# Altium PCB galileo_cleaned.PcbDoc (part 8 of 10) (continued)
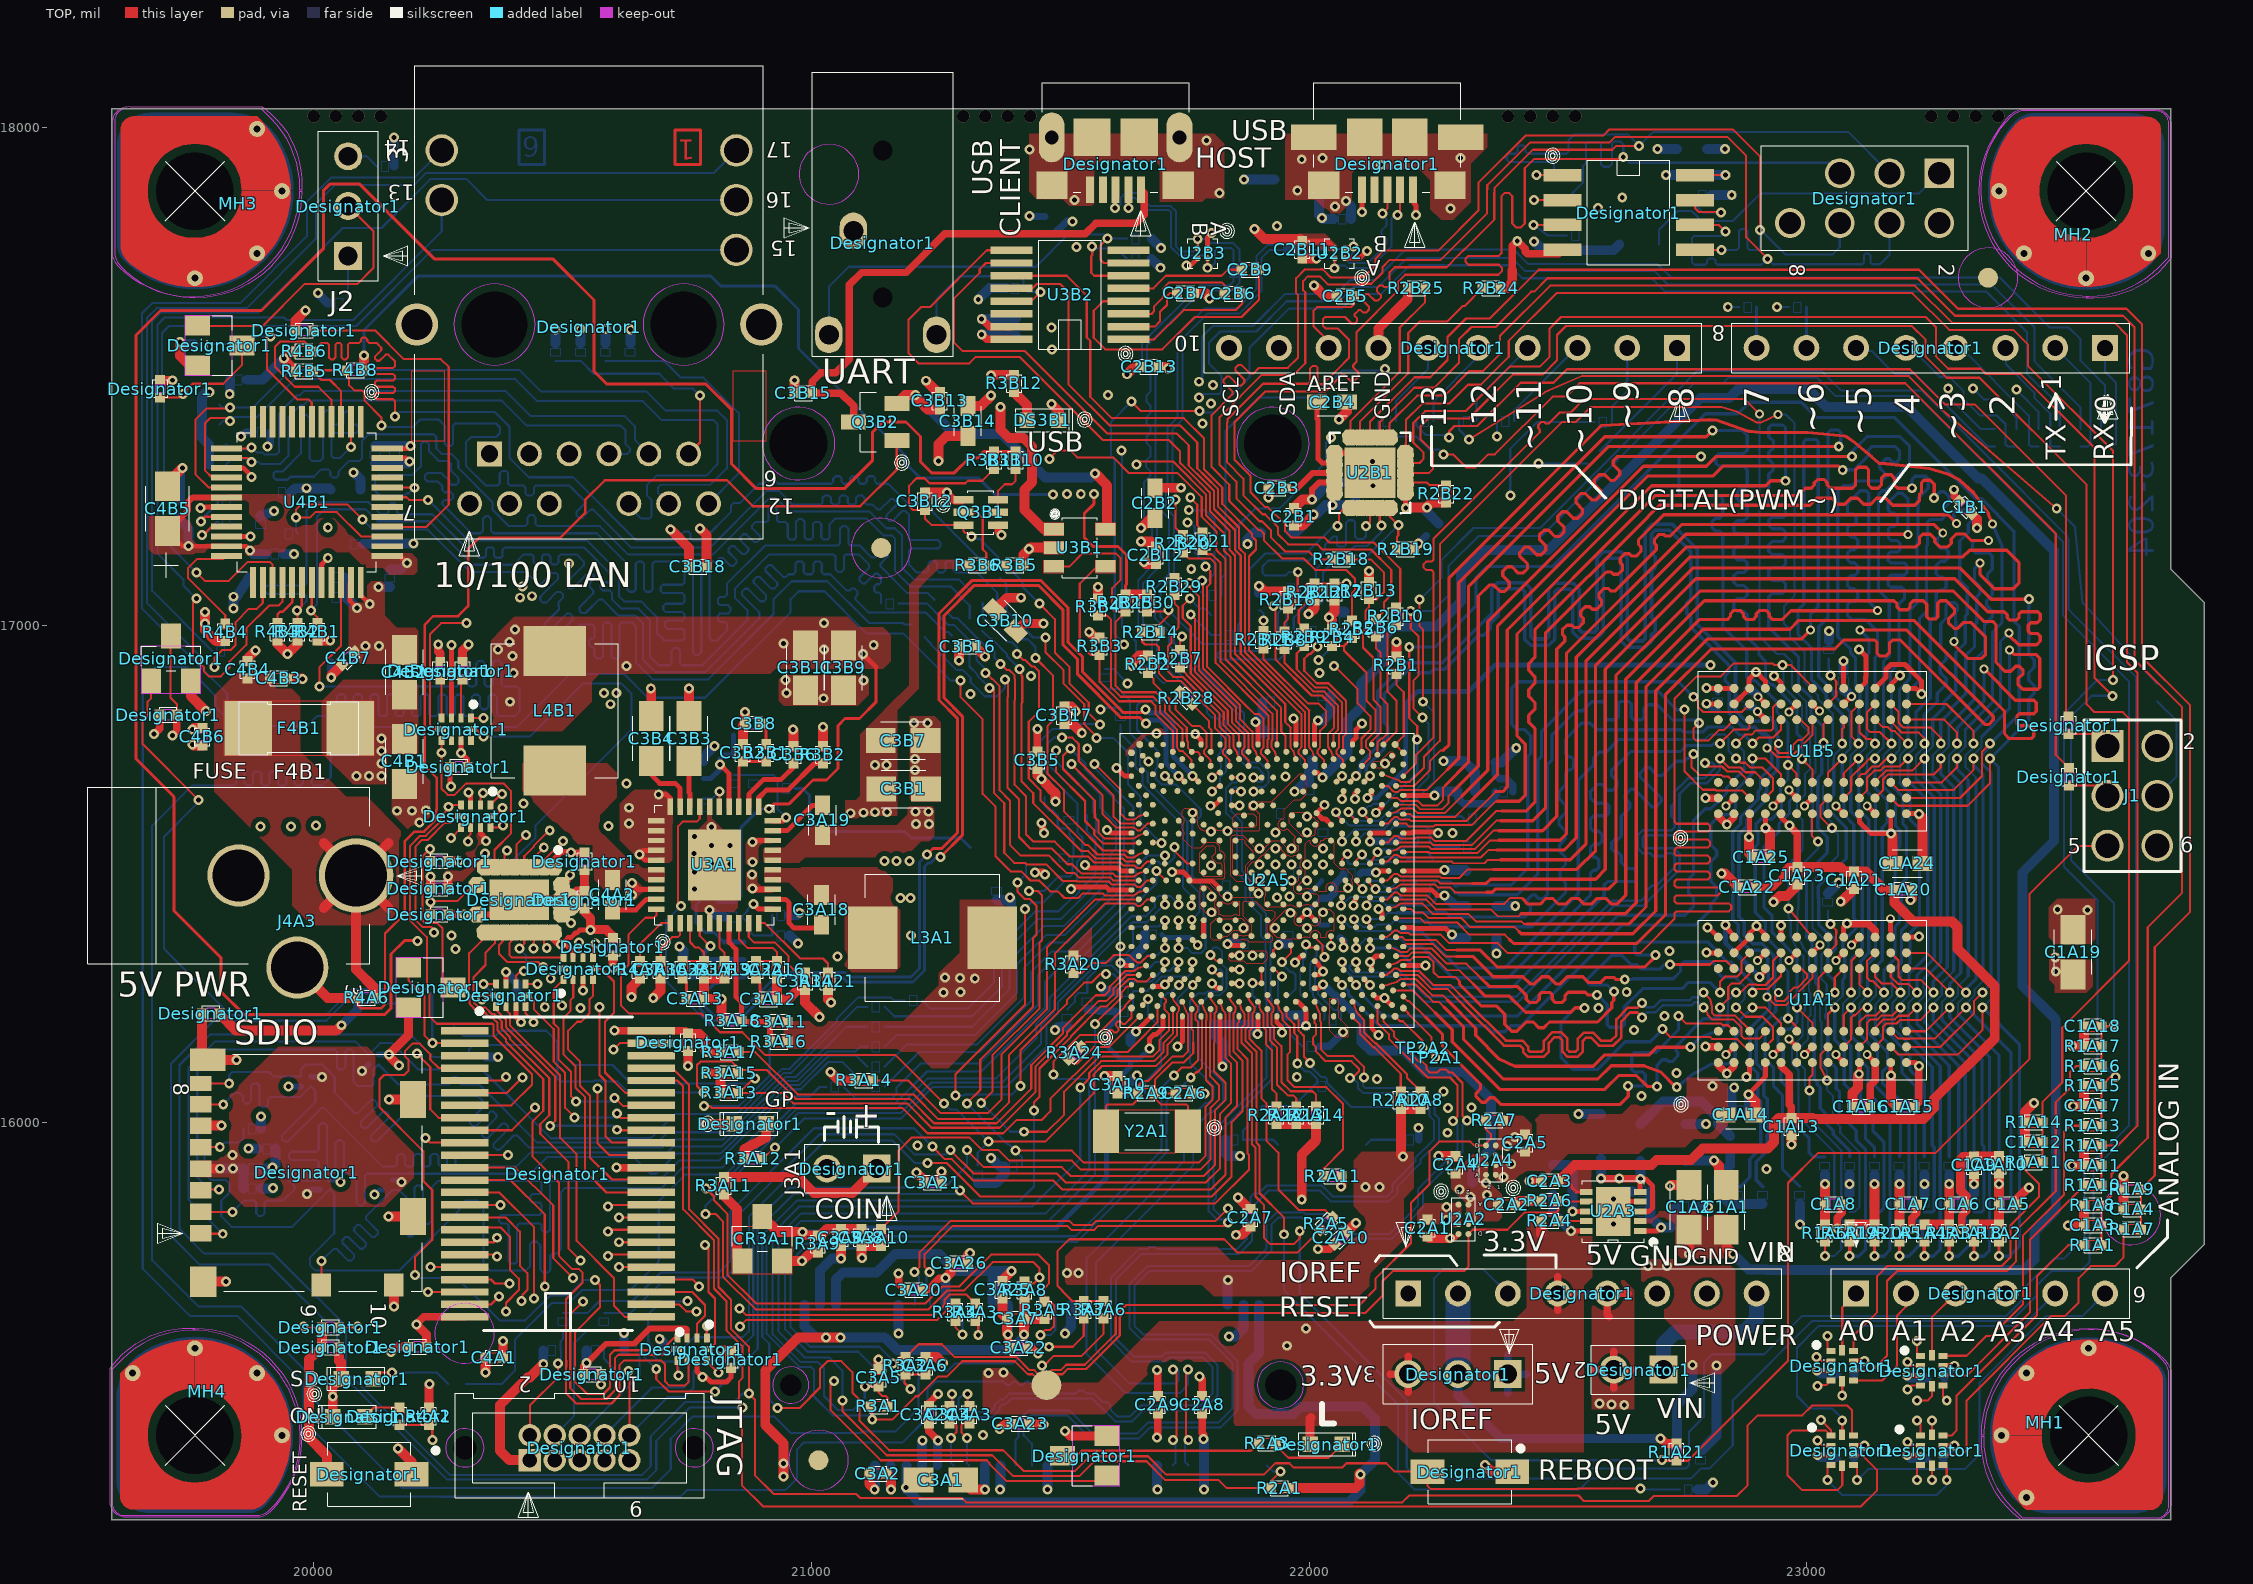
[diagram p0: TOP view]
## Nets (pads, with @x,y where several pads share a name; then routed paths per layer and width w, separated by ;. In a path a pad name is that pad's centre, name@x,y a point inside that pad or via, vN(x,y) a via of type N, cw(c..) or ccw(c..) an arc to the next point about the centre after c; other vN are vias at no path point) (continued)
USBCOMP: R2B2.1 U2A5.J34 U2A5.K33 | length 223.5
  TOP w4: 21754,16775 21754,16768.1 21755.97,16766.13 21755.97,16753.41 U2A5.J34@21763.97,16745.41 21775.64,16745.41 21779.67,16741.38 U2A5.K33@21782.97,16730.74
  TOP w4.2: R2B2.1@21676,16904 21687.5,16892.5 21687.5,16883.5 21719,16852 21719,16828.79 21754,16793.79 21754,16775
USBH0_DN: L3M2.1 U2A5.V29 | length 1400.5
  TOP w4: v1(21888.33,16665.74) U2A5.V29@21904.33,16665.74
  BOTTOM w4: 21708.22,17010 21715.12,17003.11 21716.37,17001.86 21728,16990.22 21728,16964 21743,16949 21747.71,16944.29 21869,16823 21869,16735 21880,16724 21900.07,16724 21918.07,16706 21918.07,16683.67 21909.14,16674.74 21897.33,16674.74 v1(21888.33,16665.74) ; 21708.19,17010.04 21708.19,17010.1 21705.41,17012.88 21705.26,17013.03 21704.95,17013.34 21704.76,17013.52 21704.72,17013.56 21704.69,17013.6 21701,17017.26 21701,17070.77 21728,17097.77 21728,17219.23 21712,17235.24 21712,17239.37 ; 21712,17239.38 21712,17268.77 21725,17281.77 21725,17392.76 21745,17412.76 21745,17575.43 21795.57,17626 21859,17626 21904,17671 21904,17737 21921,17754 21949.3,17754 L3M2.1@21953.16,17750.14
USBH0_DN_CH: L3M2.2 U2B2.A2 | length 393
  TOP w4: v1(22051,17717) 22051,17737 U2B2.A2@22051.16,17737.16 ; v1(22177,17824) 22182.59,17829.59 22182.59,17874.68
  BOTTOM w4: L3M2.2@21972.84,17750.14 21976.7,17754 22044.04,17754 22051,17747.03 v1(22051,17717) 22057,17723 22071,17723 22076,17718 22122.64,17718 22165.5,17760.86 22165.5,17816.5 22173,17824 v1(22177,17824)
USBH0_DP: L3M2.4 U2A5.V30 | length 1402.3
  TOP w4: v1(21888.33,16693.74) U2A5.V30@21904.33,16693.74
  BOTTOM w4: v1(21888.33,16693.74) 21897.33,16684.74 21905,16684.74 21908.07,16687.81 21908.07,16701.86 21895.93,16714 21875.86,16714 21859,16730.86 21859,16818.86 21743.57,16934.29 21718,16959.86 21718,16986.08 21709.3,16994.78 21708.04,16996.04 21701.05,17003.03 21700.06,17004.08 21697.89,17006.25 21697.75,17006.39 21697.7,17006.44 21697.62,17006.51 21691,17013.1 21690.5,17013.6 21690.5,17074.42 21718,17101.92 21718,17215.09 21702,17231.09 21702,17243.52 21702,17272.92 21715,17285.92 21715,17396.91 21735,17416.91 21735,17582 21789,17636 21854.86,17636 21894,17675.14 21894,17741.14 21916.86,17764 21949.3,17764 L3M2.4@21953.16,17767.86
USBH0_DP_CH: L3M2.3 U2B2.B1 | length 399.3
  TOP w4: U2B2.B1@22070.84,17756.84 22075,17761 v1(22089,17761) ; v1(22147,17827) 22157,17837 22157,17874.68
  BOTTOM w4: L3M2.3@21972.84,17767.86 21974.96,17765 22047.19,17765 22050.1,17762.08 22056.18,17756 22067,17756 22072,17761 v1(22089,17761) 22089,17748.63 22076,17735.63 22076,17732.15 22080.15,17728 22118.49,17728 22155,17764.51 22155,17776.21 22145,17786.21 22145,17792.21 22155,17802.21 22155,17816 22147,17824 v1(22147,17827)
USBH1_DN: U2A5.P30 | length 1799
  TOP w4: v1(21237.4,15699.98) 21227.06,15710.32 21227.06,15736 21283.96,15792.9 21513.87,15792.9 21521.87,15784.9 21568.13,15784.9 21576.23,15793 21830,15793 v1(21837,15800) ; U2A5.P30@21844.33,16693.74 v1(21863.33,16693.74)
  BOTTOM w4: v1(21237.4,15699.98) 21231,15693.58 21231,15672 21237.83,15665.17 21237.83,15634.42 ; v1(21837,15800) 21831,15806 21813.85,15806 21798,15821.85 21798,15985 21810,15997 21820.85,15997 21872,16048.15 21914,16090.14 21914,16246 21912,16248 21912,16366.85 21903,16375.85 21903,16416.85 21874.43,16445.43 ; v1(21863.33,16693.74) 21863.25,16693.74 21853.51,16684 21844.85,16684 21833,16672.15 21833,16621.85 21855,16599.85 21855,16501.85 21871.5,16485.35 21871.5,16448.35 21874.42,16445.42
USBH1_DP: U2A5.P29 | length 1798.3
  TOP w4: v1(21206.71,15699.98) 21217.06,15710.33 21217.06,15740.14 21279.82,15802.9 21518.02,15802.9 21526.02,15794.9 21563.99,15794.9 21572.09,15803 21812,15803 v1(21837,15828) ; U2A5.P29@21844.33,16665.74 v1(21863.33,16665.74)
  BOTTOM w4: 21206.33,15634.42 21208,15636.09 21208,15666 21216,15674 21216,15690.69 v1(21206.71,15699.98) ; v1(21837,15828) 21825,15816 21818,15816 21808,15826 21808,15843.69 21813,15848.69 21813,15864.69 21808,15869.69 21808,15980.85 21814.15,15987 21825,15987 21924,16086 21924,16250.14 21922,16252.14 21922,16371 21913,16380 21913,16421 21881.5,16452.5 21881.5,16489.5 21865,16506 21865,16604 21843,16626 21843,16668 21849,16674 21855.07,16674 v1(21863.33,16665.74)
USBH2_DN: L3M1.4 U2A5.M31 | length 1284.6
  TOP w4: v1(21804.98,16693.74) 21814.85,16703.61 U2A5.M31@21820.98,16703.61
  BOTTOM w4: v1(21804.98,16693.74) 21804.98,16693.98 21822.38,16711.38 21822.38,16721.83 21817,16727.21 21817,16739.21 21822.38,16744.58 21822.38,16804.62 21812.37,16814.63 21807.87,16814.63 21803.37,16814.63 21794.88,16823.12 21794.88,16827.62 21794.88,16832.11 21769.51,16857.43 21762.82,16864.12 21735.93,16891.01 21684,16942.94 21684,16972 21675.5,16980.5 21672.57,16983.43 21656.5,16999.5 21656.5,17090.5 21684,17118 21684,17201 21668,17217 21668,17257.6 21668,17287 21681,17300 21681,17309 21672,17318 21672,17330 21681,17339 21681,17358.07 21673.1,17365.97 21673.1,17377.97 21681,17385.87 21681,17397.87 21673.1,17405.77 21673.1,17417.77 21681,17425.67 21681,17441.27 21673.1,17449.17 21673.1,17461.17 21681,17469.07 21681,17514.97 21664,17531.98 21664,17560.14 21664,17566 21780,17682 21838.86,17682 21848,17691.14 21848,17700.3 L3M1.4@21845.14,17703.16
USBH2_DN_CH: L3M1.3 U2B3.A2 | length 466.5
  TOP w4: 21636.59,17874.68 21636.59,17838.41 v1(21637,17838) ; U2B3.A2@21795.84,17737.16 21796,17737 v1(21796,17718)
  BOTTOM w4: v1(21637,17838) 21631,17844 21631,17853.14 21636.36,17858.5 21649.64,17858.5 21651.49,17856.64 21654.42,17853.71 21674.14,17834 21718.69,17834 21722,17830.69 21722,17759.69 21738.69,17743 21788,17743 21796,17735 v1(21796,17718) 21801,17718 21811,17728 21811,17752.81 21816.19,17758 21841.86,17758 21848,17751.86 21848,17725.7 L3M1.3@21845.14,17722.84
USBH2_DP: L3M1.1 U2A5.M29 | length 1281.7
  TOP w4: v1(21804.98,16665.74) 21815.72,16676.48 U2A5.M29@21820.98,16676.48
  BOTTOM w4: v1(21804.98,16665.74) 21804.98,16665.98 21820.98,16681.98 21820.98,16694.08 21832.38,16705.48 21832.38,16808.77 21776.64,16864.5 21776.58,16864.5 21745.93,16895.15 21740.07,16901.01 21694,16947.08 21694,16976.14 21692.33,16977.82 21682.57,16987.57 21679.64,16990.51 21666.5,17003.64 21666.5,17084.5 21694,17112 21694,17205.14 21678,17221.14 21678,17253.46 21678,17282.86 21691,17295.86 21691,17510.83 21691,17519.12 21674,17536.12 21674,17561.86 21784.14,17672 21844,17672 21860,17688 21860,17700.3 L3M1.1@21862.86,17703.16
USBH2_DP_CH: L3M1.2 U2B3.B1 | length 480.2
  TOP w4: v1(21610,17838) 21611,17839 21611,17874.68 ; v1(21776,17776) 21776.16,17776.84 U2B3.B1@21776.16,17756.84
  BOTTOM w4: v1(21610,17838) 21613,17838 21621,17846 21621,17859 21630.5,17868.5 21653.78,17868.5 21661.49,17860.78 21680.28,17842 21722,17842 21732,17832 21732,17761 21742,17751 21768,17751 21776,17759 v1(21776,17776) 21793.37,17776 21801.37,17768 21846,17768 21860,17754 21860,17725.7 L3M1.2@21862.86,17722.84
V1P0_S0: C2B2.1 C2B12.1 C2L14.1 C3B9.1 C3B10.1 C3B11.1 C3B17.1 C3L15.1 C3L17.1 C3L18.1 C3L20.1 C3L22.1 C3L24.1 C3L26.1 C3L28.1 C3L29.1 FB3L1.2 L4B1.2 R2L19.1 U2A5.AB14 U2A5.AB18 U2A5.AB20 U2A5.AD14 U2A5.T18 U2A5.V14 U2A5.V16 U2A5.V18 U2A5.V20 U2A5.Y14 U2A5.Y16 U2A5.Y18 U2A5.Y20 | length 1128.6
  TOP w6: v1(20915,16631) 20925,16641 20955,16641 21003,16689 21030,16689 21053,16712 21053,16798 21067.5,16812.5 21096.5,16812.5 21130,16846 21130,16915
  TOP w10: v1(21103,16942) 21110.01,16934.99 21112,16933 21130,16915
  TOP w20: C3B10.1@21368,17030 21393,17055 v1(21421,17055) ; C3B17.1@21508,16836 21522.14,16836 21528,16830.14 21528,16828 v1(21530,16826) ; v1(21662,17168) 21682,17168 C2B12.1@21692,17158 ; v1(21662,17195) 21682,17215 C2B2.1@21690,17215
  BOTTOM w6: R2L19.1@20824,16363 20805,16382 20787,16382 20768,16401 20768,16437 20781,16450 20804,16450 20811,16443 20847,16443 20858,16454 20858,16593 20896,16631 v1(20915,16631)
  BOTTOM w10: R2L19.1@20824,16363 C2L14.1@20864,16363 ; v1(21996,16455) 21996,16456 22025,16485 FB3L1.2@22025,16486.5
  other v1: 21935,16453 21960,16455 21900,16487 21964,16487 21900,16519 21964,16519 21932,16551 20394,16846 20401,16904 20628,16918 20399,16938 20370,16951 21025,16951 21125,16960 20944,16963 20393,16966 20404,16991 21025,17004
V1P0_S0_FLT: C3L14.1 C3L21.1 FB3L1.1 U2A5.AB13 U2A5.AD13 | length 214.2
  TOP w10: U2A5.AB13@21980,16407 v1(21996,16423) U2A5.AD13@22012,16407
  BOTTOM w10: FB3L1.1@22025,16451.5 22024.5,16451.5 v1(21996,16423) 22022,16397 C3L14.1@22038,16397
  BOTTOM w15: FB3L1.1@22025,16451.5 22040.5,16451.5 22051,16462 22051,16479 22068,16496 C3L21.1@22068,16500
V1P0_S3_IVR: U2A5.M14 U2A5.P14
V1P0_S5_IVR: U2A5.P11 U2A5.T11 U2A5.T13 U2A5.T14 U2A5.V11 U2A5.V13
V1P5_S0: C1A1.1 C1A2.1 C2A1.1 C3A25.1 C3A26.1 R2A8.1 R2A10.2 U2A2.A1 U2A2.B1 U2A2.C1 U2A3.2 U2A5.AD5 U2A5.AD31 | length 5709.6
  TOP w10: U2A5.AD5@22011.02,16270.39 22020.39,16270.39 v1(22028,16278) ; U2A5.AD31@22011.02,16703.61 22017.15,16703.61 v1(22027.02,16693.74)
  TOP w20: C3A26.1@21314,15718 21314,15734 v1(21318,15738) ; C3A25.1@21384,15682 21384,15684 v1(21402,15702) ; v1(22188,15932) 22184,15936 R2A10.2@22184,16028 R2A8.1@22224,16028 ; v1(22763,15736) C1A2.1@22763,15785 ; C1A1.1@22838,15785 22838,15750 v1(22852,15736)
  BOTTOM w15: v1(22028,16278) 22050,16256 22053,16256 22105.5,16203.5 22105.5,16188.5
  BOTTOM w20: 21048.85,15634.42 21048.8,15634.47 21048.8,15684.8 21063,15699 21131,15699 21168,15736 21257,15736 21291,15702 21379,15702 ; 21363.8,15634.43 21363.8,15686.8 21379,15702 ; v1(21402,15702) 21379,15702 ; 21836.25,15634.42 21836.25,15683.25 v1(21837,15684) ; v1(22027.02,16693.74) 22048.14,16714.86 22048.14,16715.14 22077,16744 22077,16808.07 22103.61,16834.68 22103.61,16881.61 22146,16924 22146,16973 22170.5,16997.5 22255.5,16997.5 22305.01,17047.01 22305.01,17103 22353.01,17151 22481,17151 22786,17456 22844,17456 22862,17474 23003,17474 23039,17438 23201,17438 23344,17295 23351,17295 23496.49,17149.51 23496.49,16566.51 23433,16503.02 23433,16275 23500,16208 23500,15824 23457,15781 23457,15725 23436,15704 22921,15704 22920,15705 22883,15705 v1(22852,15736) ; 22105.5,16188.5 22105.5,16162.5 22123,16145 22190,16145 22233,16102 22310,16102 22365,16047 22365,15948 22328,15911 22328,15880
  other v1: 21513,15698 21536,15698 22276,15805 22276,15831 22113,15871 22141,15871
V1P05_S0_IVR: U2A5.P24 U2A5.R26 U2A5.T24
V1P5_S3: C1A14.1 C1A15.1 C1A16.1 C1A19.1 C1A21.1 C1A23.1 C1A24.1 C1A25.1 C1B1.1 C2A5.1 C3L12.1 C3L16.1 C3L23.1 C3M4.1 C4L3.1 C4M2.1 C4M3.1 FB3M1.1 R4L1.1 R4L2.1 R4L9.1 U1A1.A2 U1A1.A9 U1A1.B9 U1A1.C1 U1A1.D7 U1A1.E2 U1A1.E9 U1A1.G2 U1A1.G8 U1A1.K1 U1A1.K9 U1A1.M1 U1A1.M9 U1B5.A2 U1B5.A9 U1B5.B9 U1B5.C1 U1B5.D7 U1B5.E2 U1B5.E9 U1B5.G2 U1B5.G8 U1B5.K1 U1B5.K9 U1B5.M1 U1B5.M9 U2A4.A1 U2A4.B1 U2A4.C1 U2A5.AT12 U2A5.AT16 U2A5.AT18 U2A5.AT23 | length 2437.2
  TOP w10: U2A5.AT12@22189.07,16391.98 22208,16391.98 22209.98,16390 22275,16390 v1(22287,16378) ; U2A5.AT16@22189.07,16468 22246,16468 22257,16457 v1(22272,16457) ; U2A5.AT18@22189.07,16506 22270,16506 v1(22272,16508) ; U2A5.AT23@22189.07,16582.02 22205.57,16582.02 22207.55,16584 22257,16584 v1(22259,16582) ; v1(22798,16874) 22799.02,16872.98 U1B5.A9@22822.02,16872.98 U1B5.B9@22853.52,16872.98 ; v1(22800,16392) 22803,16392 U1A1.A9@22822.02,16372.98 ; v1(22836,16397) U1A1.B9@22853.52,16372.98 ; v1(22879,16092) 22885.02,16098.02 U1A1.C1@22885.02,16121.02 ; v1(22884,16574) 22885.02,16579.02 U1B5.C1@22885.02,16621.02 ; v1(22905,16293) 22916.51,16304.51 U1A1.D7@22916.51,16309.99 ; v2(22932.26,16136.76) U1A1.E2@22948.01,16152.51 ; v2(22932.26,16636.76) U1B5.E2@22948.01,16652.51 ; v1(22934,16898) 22948.15,16883.85 22948.15,16873.12 U1B5.E9@22948.01,16872.98 ; U1A1.E9@22948.01,16372.98 v1(22948.01,16395.99) ; v2(22995.25,16136.76) U1A1.G2@23011,16152.51 ; v2(22995.25,16636.76) U1B5.G2@23011,16652.51 ; U1A1.G8@23011,16341.49 v2(23026.75,16357.24) ; U1B5.G8@23011,16841.49 v2(23025,16827) ; v2(23089.75,16357.24) U1A1.K9@23105.49,16372.98 ; v2(23105,16098) 23105.49,16098.49 U1A1.K1@23105.49,16121.02 ; v1(23105,16951) 23119.15,16936.85 23119.15,16897.15 23118,16896 23118,16885.49 U1B5.K9@23105.49,16872.98 ; U1B5.K1@23105.49,16621.02 23105.49,16604.51 23129,16581 v1(23169,16581) 23168.48,16595.52 U1B5.M1@23168.48,16621.02 ; v2(23168,16410) 23168.19,16409.81 23168.19,16396.99 U1A1.M9@23168.48,16372.98 ; U1A1.M1@23168.48,16121.02 23168.48,16095.52 v1(23169,16095) ; U1B5.M9@23168.48,16872.98 23168.48,16880.48 v1(23187,16899)
  TOP w12: v2(22900.8,16826) 22916.51,16810.29 U1B5.D7@22916.51,16809.99
  TOP w15: v1(22796,16153) 22796.49,16152.51 U1A1.A2@22822.02,16152.51 ; v1(22796,16653) 22796.49,16652.51 U1B5.A2@22822.02,16652.51
  TOP w20: v1(22884,16574) 22884,16541 C1A25.1@22891,16534 ; v1(22933,16444) 22945,16456 22960,16456 22981,16477 C1A23.1@22981,16479 ; v1(23068,16445) 23070,16445 C1A21.1@23095,16470 ; C1A16.1@23092,16032 23092,16060 23103,16071 23103,16096 v2(23105,16098) ; v1(23169,16095) 23169,16044 C1A15.1@23181,16032 ; v1(23169,16581) 23172,16578 C1A24.1@23172,16521 ; C1B1.1@23331,17224 23342,17213 v1(23342,17195)
  BOTTOM w10: v1(22798,16874) 22811,16874 C4M3.1@22821,16864 ; v1(22836,16397) 22836,16362 v1(22905,16293)
  BOTTOM w15: C4M2.1@22880,16836 22890.8,16836 v2(22900.8,16826)
  BOTTOM w20: v1(22270,16727) 22311,16727 C3M4.1@22314,16724 22333.5,16704.5 FB3M1.1@22333.5,16666 ; v1(22272,16457) 22293,16436 C3L16.1@22316,16436 ; v1(22272,16508) 22314,16508 C3L23.1@22316,16506 ; v1(22287,16378) 22291,16371 C3L12.1@22316,16371 ; R4L1.1@22739,15340 22739,15433.53 22770,15464.53 v1(22770,15513) ; R4L9.1@22773,15831 v1(22801,15831) ; R4L2.1@22787,15340 22818,15371 v1(22818,15512) ; C4L3.1@22849,16024 22849,16066 v1(22854,16071)
  other v1: 22681,15712 22719,15712 22390,15891 22406,15917 22810,16074 23500,16304 23499,16332
V1P5_S3_LC: C3M3.1 FB3M1.2 U2A5.AT28 | length 221.7
  TOP w10: U2A5.AT28@22189.07,16658.03 v1(22252,16658)
  BOTTOM w15: FB3M1.2@22298.5,16666 22298.5,16652.5 22310,16641 22359,16641 22374,16656 C3M3.1@22374,16665
  BOTTOM w20: v1(22252,16658) 22260,16666 FB3M1.2@22298.5,16666
V1P5_S5: C2A2.1 C2A4.1 C2A8.1 C2A9.1 C2A10.1 C2M6.1 C3A23.1 C3A24.1 C3B1.1 C3B7.1 C3L11.1 L2M1.2 R2A11.1 R2M4.1 R3B6.1 U2A2.A2 U2A2.B2 U2A2.C2 U2A4.A2 U2A4.B2 U2A4.C2 U2A5.R10 | length 247.1
  TOP w10: v1(21836,16359) 21838.44,16356.56 U2A5.R10@21866.62,16356.56
  TOP w15: C3A24.1@21236,15431 21236,15437 v1(21254,15455) ; v1(21694,15368) 21696,15370 C2A9.1@21696,15416 ; v1(21780,15490) 21785,15485 C2A8.1@21785,15451
  TOP w20: C3A23.1@21437,15395 21438,15394 v1(21466,15394) ; v1(22064,15872) 22065,15873 R2A11.1@22065,15893 ; C2A10.1@22076,15781 v1(22094,15799)
  BOTTOM w20: v1(21836,16359) 21838,16361 C3L11.1@21853,16361
  other v1: 22324,15851 22357,15855 22302,15866 22355,15879 21078,16622 21104,16623 21128,16624 21152,16624 21128,16719 21151,16719
V1P8_S0_IVR: U2A5.P18 U2A5.P20 U2A5.P22 U2A5.T20
V1P8_S3_IVR: C3L25.1 C3L27.1 U2A5.K18 U2A5.K20 U2A5.M18
  other v1: 21803,16517
V1P8_S5_IVR: U2A5.K11 U2A5.K13 | length 32
  TOP w10: U2A5.K11@21788,16375 U2A5.K13@21788,16407
V1P8_SLDO_IVR: U2A5.K24
V3P3_RTC: C3A8.1 C3A9.1 C3L8.1 CR3A1.3 R2L9.1 R2L10.1 R3A9.2 U2A5.E1 | length 1449.9
  TOP w10: v1(21679,16149) 21679,16169 21687,16177 21692,16177 21706.46,16191.46 U2A5.E1@21706.46,16213.93
  TOP w20: CR3A1.3@20901,15812 20932,15781 v1(20982,15781) 20989,15774 R3A9.2@21013,15774 21018,15774 21031,15787 C3A9.1@21059,15787 C3A8.1@21100,15787
  BOTTOM w10: v1(20982,15781) 21067,15781 21075,15789 21492,15789 21593,15890 21593,16065 21641,16113 C3L8.1@21641,16126 ; R2L9.1@21611,16224 21611,16205 21597,16191 21597,16151 21622,16126 C3L8.1@21641,16126 ; v1(21679,16149) 21656,16126 C3L8.1@21641,16126
  BOTTOM w15: R2L10.1@21554,16226 21576.5,16226 21578.5,16224 R2L9.1@21611,16224
V3P3_S0: C1L1.1 C1L2.1 C1M1.1 C1M2.1 C1M6.1 C1M9.1 C1M10.1 C1M13.1 C1M14.1 C2B1.1 C2B13.1 C2M4.1 C3B5.1 C3L30.1 C3M1.1 C3M2.1 C3M5.1 C3M6.1 C3M7.1 C3M8.1 C3M9.1 C3M10.1 C3M13.1 C4B6.1 C4B7.1 CR3M1.2 FB1M1.1 Q1L1.1 Q1L2.1 R1M1.2 R1M2.2 R1M7.1 R1M8.1 R1M9.1 R1M10.1 R1M11.1 R2B12.1 R2B15.1 R2B16.1 R2B22.1 R2B30.1 R2M15.1 R3A13.1 R3A15.1 R3B4.1 R3M9.1 R4B1.1 R4B2.1 R4B3.1 R4B8.1 U1L1.B2 U1L2.B2 U1L3.B2 U1L4.B2 U2A5.AA26 U2A5.AB24 U2A5.AD24 U2B1.10 U2B1.16 U2M1.A1 U2M1.B1 U2M1.C1 U3B2.16 U4B1.32 U4B1.48 | length 4115.6
  TOP w4.2: R4B8.1@20101,17512 R4B8.1@20101,17515
  TOP w6: v1(21568,17263) 21568,17244 21548,17224 21548,17176 21566,17158 21616,17158 21633,17141 21633,17082 21631,17080 R2B15.1@21631,17062
  TOP w10: U4B1.32@20015.53,17085.58 20015.53,17121.47 v1(20028,17135) ; U4B1.48@20147.42,17355.27 20189.27,17355.27 v1(20194,17360) ; 20295.84,16768.5 20295.84,16743.16 v1(20296,16743) 20309,16730 20309,16715 ; U2B1.16@22193.02,17266.63 22193.02,17236.86 v1@22194.44,17235.44
  TOP w12: v1(22047,17241) 22047,17262.65 U2B1.10@22050.98,17266.63
  TOP w15: v1(21342,17584) 21352,17574 U3B2.16@21402,17574 ; C3B5.1@21454,16746 v1(21454,16791)
  TOP w18: v1(20250,16961) 20250,16947 20254,16943 20254,16926 ; 20269.5,16526 v1(20291,16526) ; 20299,16926 20299,16949 v1(20311,16961) ; v1(20788,16100) R3A15.1@20817,16100
  TOP w20: v1(19756,16790) 19759,16793 C4B6.1@19776,16793 ; 19773.06,15907.68 v1(19811.68,15907.68) ; R4B3.1@19927,16969 19927,16962 v1(19947,16942) 19967,16962 R4B2.1@19967,16969 ; R4B1.1@20007,16969 v1(20033,16969) ; v1(20035,16895) 20035,16899 C4B7.1@20057,16921 ; R4B8.1@20101,17515 v1(20101,17542) ; R3A13.1@20817,16060 R3A15.1@20817,16100 ; R3B4.1@21576,17054 v1(21576,17077) ; R2B15.1@21631,17062 R2B30.1@21674,17062 ; C2B13.1@21696,17519 21713,17519 v1(21716,17516) ; v1(21899,17079) 21910,17068 R2B16.1@21957,17068 ; C2B1.1@21969,17200 21987,17200 v1(22009,17222) ; v1(21999,17022) 22011,17034 R2B12.1@22011,17049 ; v1(22194,17235) 22194.44,17235.44 22195,17236 v1@22235.2,17236 ; v1(22237,17236) v1@22235.2,17236 ; R2B22.1@22275,17246 22245.2,17246 v1@22235.2,17236
  BOTTOM w6: v1(20101,17542) 20101,17593 20209,17701 20798,17701 20818,17681 20927,17681 20974,17634 20974,17556 21189,17341 21189,17325 21218,17296 21335,17296 21369,17262 v1(21485,17262)
  BOTTOM w10: U1L4.B2@20157.84,15884.84 20172.16,15884.84 v1(20176,15881)
  BOTTOM w12: v1(19986,15857) 19995.16,15866.16 U1L1.B2@20012.16,15866.16 ; U1L3.B2@19993.84,16092.84 v1(20016,16092) ; v1(20097,16104) U1L2.B2@20110.16,16117.16
  BOTTOM w15: v1(19854,17379) 19863,17388 C1M13.1@19877,17388
  BOTTOM w18: v1(20035,16895) 20035,16924
  BOTTOM w20: R1M7.1@19789,17323 R1M8.1@19789,17363 19775,17377 R1M9.1@19775,17403 R1M10.1@19775,17443 19775,17459 19784,17468 v1(19790,17468) ; v1(19811.68,15907.68) 19812,15908 v1(19838,15908) C1L2.1@19859,15908 C1L1.1@19859,15868 ; v1(19831,17464) C1M14.1@19831,17493 ; v1(19839,17033) v1(19839,17057) ; v1@19845,17057 FB1M1.1@19870,17096 ; C1M9.1@20123,17360 C1M10.1@20163,17360 v1(20194,17360) ; R1M11.1@20486,17566 v1(20486,17594) ; R2M15.1@20636,17566 v1(20636,17594) ; v1(21342,17584) 21383,17584 21386,17581 C2M4.1@21411,17581 ; R3M9.1@21899,17064 v1(21899,17079) ; C3M9.1@21963,17186 21973,17186 v1(22009,17222) 22014,17222 22033,17241 v1(22047,17241) 22083,17241 C3M10.1@22093,17251 ; v1(22237,17236) 22237,17227 C3M13.1@22260,17204 ; v1(22452,17771) 22469.78,17753.22 22611.22,17753.22 CR3M1.2@22623,17765
  other v1: 19837,15935 20536,16231 20464,16233 20499,16236 21996,16583 21996,16615 21952,16696 20028,17196 21513,17263 21541,17263
V3P3_S0_A: C1M7.1 C1M8.1 FB1M1.2 R1M3.1 R1M4.1 R1M5.1 U4B1.22 | length 48.3
  TOP w10: U4B1.22@19824.58,17178.1 v1(19872.9,17178.1)
V3P3_S3: C1L3.1 C2L13.1 C3A1.1 C3A2.1 C3A7.1 C3B16.1 C3L19.1 R2A1.1 R3A5.1 R3A8.1 U2A5.K14 U2A5.K16 U2L1.A1 U2L1.B1 U2L1.C1 | length 3122
  TOP w15: v1(19679,16781) 19690,16792 19690,16820 ; v1(21462,16602) v1(21467,16582)
  TOP w18: 19691,17492.5 19691.5,17492 v1(19716,17492)
  TOP w20: v1(20944,15289) v1(20944,15315) 20944,15356 20907,15393 20907,15502 20974,15569 v1(21029,15569) v1(21058,15569) ; C3A2.1@21151,15295 21160,15286 v1(21160,15263) ; C3B16.1@21331,16957 21331,16955 v1(21349,16937) ; v1(21427,15575) 21427,15590.86 21428,15591.86 C3A7.1@21428,15606 ; R3A8.1@21428,15646 C3A7.1@21428,15606 ; R3A5.1@21468,15606 C3A7.1@21428,15606 ; R2A1.1@21958,15266 22092.8,15266 22101,15274.2 22101,15295 v1(22103,15293)
  BOTTOM w20: v1(19869,15948) C1L3.1@19888,15948 ; 20985.86,15634.42 20985.9,15634.38 20985.9,15591 21007.9,15569 v1(21029,15569) v1(21058,15569) 21147,15569 21172.15,15543.85 21400,15543.85 21427,15570.85 v1(21427,15575) 21426.97,15592.22 21426.97,15634.25 21426.8,15634.42 ; 21159.09,15311.58 21159.09,15263.91 v1(21160,15263) ; 21190.58,15311.58 21190.58,15263.58 v1(21190,15267) 21216,15237 22079,15237 22103,15261 v1(22103,15293) 22132,15322 22132,15405 22107,15430 21983,15430 21968,15415 21893,15415 21878,15430 21878,15515.74 21899.24,15536.98 21899.24,15634.42
  other v1: 21804,16423 21804,16455 19893,16595 19954,16595 20004,16597 20596,16841 20583,16864 20608,16864
V3P3_S5: C2A7.1 C2A10.2 C2L4.1 C2L5.1 C2L6.1 C2L10.1 C2L11.1 C3A11.1 C3A20.1 C3A21.1 C3A22.1 C3L2.1 C3L9.1 C3L10.1 C4A1.1 CR3A1.2 L3A1.2 R1L1.1 R1L3.1 R2A4.1 R2L1.1 R2L21.1 R2M2.1 R3A9.1 R3A16.1 R3B10.1 R3B11.1 R4A2.1 U2A3.10 U2A5.P5 U2A5.P7 U2L1.A2 U2L1.B2 U2L1.C2 U2M1.A2 U2M1.B2 U2M1.C2 | length 6227.8
  TOP w6: v1(20208,16365) 20207,16366 20182,16366 20155,16339 20155,16230 20143,16218 19859,16218 19813,16264 19813,16332 19719,16426 19719,16655 19643,16731 19643,17583 19692,17632 19895,17632 20019,17756 20019,17873 20032,17886 20092,17886 20242,17736 20480,17736 20563,17653 20563,17510 20589,17484 20788,17484 20839.5,17432.5 20839.5,17323.5 20889,17274 21066,17274 21123,17331 21123,17388 21143,17408 21190,17408 21219,17379 21219,17328 21241,17306 21287,17306 21316.5,17335.5 21332.78,17335.5 21346.28,17349 R3B11.1@21367,17349 R3B10.1@21410,17349
  TOP w10: U2A5.P5@21844.33,16280.26 v1(21860.33,16280.26) ; U2A5.P7@21844.33,16308.26 v1(21860.33,16308.26) ; v1(22526,15783) 22538.62,15782.62 U2A3.10@22557,15782.62
  TOP w12: 20481.9,16513.5 20481.9,16528.9 20497,16544 20516,16544 v1(20517,16543) 20544,16543
  TOP w15: v1(21175,15697) 21175,15677 C3A20.1@21188,15664 ; C3A22.1@21434,15548 21443,15548 v1(21455,15536) ; v1(22018,15746) 22041,15746 C2A10.2@22051.25,15756.25 ; 22163,15495 22199,15495 ; 22199,15459 22199,15495 ; 22199,15531 22199,15495 ; 22235,15495 22199,15495 ; 22465,15657 22499,15657 ; 22499,15623 22499,15657 ; 22499,15691 22499,15657 ; 22533,15657 22499,15657
  TOP w18: R4A2.1@20231,15428 20231,15474 v1(20232,15475) ; C4A1.1@20380,15528 v1(20380,15562) ; 22002,15354 22002,15406 22004,15408
  TOP w20: 20434,15322 20393,15322 20374,15341 20374,15433 20429,15488 20434,15488 v1(20461,15515) ; CR3A1.2@20941,15722 v1(20981,15722) 20998,15739 R3A9.1@21013,15739 ; C3A21.1@21261,15880 v1(21261,15902) ; v1(21857,15850) 21880,15827 C2A7.1@21882,15827 ; 22466,15776 R2A4.1@22466,15803
  BOTTOM w6: R2M2.1@20967,16672 20982,16672 20996,16658 20996,16609 21020,16585 21188,16585 21201,16572 21300,16572 21319,16553
  BOTTOM w18: R1L3.1@20623,15543 v1(20623,15578)
  BOTTOM w20: v1(20461,15515) R1L1.1@20461,15543 ; v1(20695,15566) 20703,15558 R2L1.1@20703,15543 ; R2L21.1@21635,16060 21635,16076 v1(21654,16095) ; C3L2.1@22490,15855 22490,15819 v1(22526,15783)
  other v1: 21356,15497 21386,15498 21955,15552 21994,15587 21265,16262 21299,16263 21328,16290 21298,16291 21268,16292 20285,16349 20277,16375.89
V3V: C3B4.1 U3A1.29 | length 134.3
  TOP w10: C3B4.1@20678,16727 20678,16699 20695,16682 20726,16682 20736.1,16671.9 U3A1.29@20736.1,16634.88
V5_ALW_ON: C2B11.1 C2L8.1 C2L9.1 C2L12.1 C2M10.1 C3B13.1 C3B18.1 C4B1.1 C4B2.1 F4B1.2 J1.2 Q3B2.2 R2L17.1 U2B2.B2 U2B3.B2 U3A1.13 U3A1.18 U3A1.38 U3B1.5 | length 1966
  TOP w10: v1(20639,16482) 20652.21,16468.79 U3A1.38@20688.12,16468.79 ; v1(20881,16564) 20884.21,16567.21 U3A1.18@20921.88,16567.21 ; v1(21753,17723) 21762,17723 U2B3.B2@21776.16,17737.16 ; C2B11.1@21986,17772 22036,17772 U2B2.B2@22051.16,17756.84
  TOP w12: v1(20881,16471) 20883.21,16468.79 U3A1.13@20921.88,16468.79
  TOP w15: v1(20577,15474) 20577,15495 ; 22576,15504 22612,15504 ; 22603,15610 22599,15614 22599,15657 22641,15657 ; 22612,15468 22612,15504 ; 22612,15540 22612,15504 ; 22648,15504 22612,15504
  TOP w20: v1(20717,17192) 20754,17155 C3B18.1@20754,17117 ; Q3B2.2@21171.5,17445.5 21188,17462 v1(21209,17462) 21209,17458 21227,17440 21227,17438.86 21232.86,17433 C3B13.1@21258,17433 ; v1(21570,17305) 21594,17281 21594,17196 U3B1.5@21591,17193 ; v1(21890,17796) 21910.18,17775.82 21982.18,17775.82 C2B11.1@21986,17772
  PWR w10: 23673.71,16726.71 J1.2@23704,16757 ; 23673.71,16787.29 J1.2@23704,16757 ; 23734.29,16726.71 J1.2@23704,16757 ; 23734.29,16787.29 J1.2@23704,16757
  BOTTOM w15: v1(21438,17822) 21439,17821 C2M10.1@21469,17821 ; 22361,15495 22399,15495 ; 22399,15457 22399,15495 ; 22399,15533 22399,15495 ; 22437,15495 22399,15495 ; 22559,15657 22599,15657 ; 22574,15504 22612,15504 ; 22599,15617 22599,15657 ; 22612,15466 22612,15504 ; 22612,15542 22612,15504 ; 22639,15657 22599,15657
  BOTTOM w20: R2L17.1@20956,16417 20971,16417 v1(20976,16422) ; v1(21209,17462) 21286.85,17384.15 21381.85,17384.15 21469,17297 21562,17297 v1(21570,17305)
  other v1: 22633,15433 22607,15434 22583,15436 20639,16458 20880,16499 20881,16524 20086,16697 20111,16697 20136,16697 20136,16722 20136,16747 20136,16772
V5_PWR_JACK: C4B3.1 C4B4.1 F4B1.1 J4A3.1 R4A6.1 | length 630.2
  TOP w20: 20019.9,16431.9 J4A3.1@20085,16497 ; 20019.9,16562.1 J4A3.1@20085,16497 ; R4A6.1@20123.5,16251 20123.5,16269.5 20085,16308 J4A3.1@20085,16497 ; 20150.1,16431.9 J4A3.1@20085,16497 ; 20150.1,16562.1 J4A3.1@20085,16497
V7V: C3B3.1 U3A1.28 | length 92.9
  TOP w10: C3B3.1@20754,16727 20754,16663.17 20755.79,16661.38 U3A1.28@20755.79,16634.88
VBUS1: C2M7.1 C3B14.1 C3M11.1 C3M12.1 R3B12.2 U3B1.1 | length 590
  TOP w10: 22208.18,17874.68 22211,17871.86 22211,17847 22215,17843 v1(22215,17824)
  TOP w20: C3B14.1@21314,17440 21340,17440 v1(21361,17461) ; v1(21361,17502) 21362,17503 R3B12.2@21407,17503 ; v1(21380,17438) 21380,17393 21397,17376 21426,17376 21443,17359 21443,17287 21428,17272 21428,17231 21466,17193 U3B1.1@21487,17193
  BOTTOM w20: C3M11.1@22020,17895 22020,17824 v1(22026,17818) 22028,17816 C3M12.1@22049,17816
  other v1: 21483,17554 21482,17598
VBUS_IN: C3B15.1 Q3B2.3 | length 1097.7
  TOP w15: Q3B2.3@21084.5,17408 21084.5,17440.5 21059,17466 C3B15.1@21001,17466 21001,17489 21019,17507 21049,17507 21076,17534 21076,17684 21100.5,17708.5 21190.5,17708.5 21268,17786 21550,17786 21571,17807 21652,17807 21669,17824 21669,17867.86 21662.18,17874.68